# Altium PCB MB1404.PcbDoc (part 3 of 7) (continued)
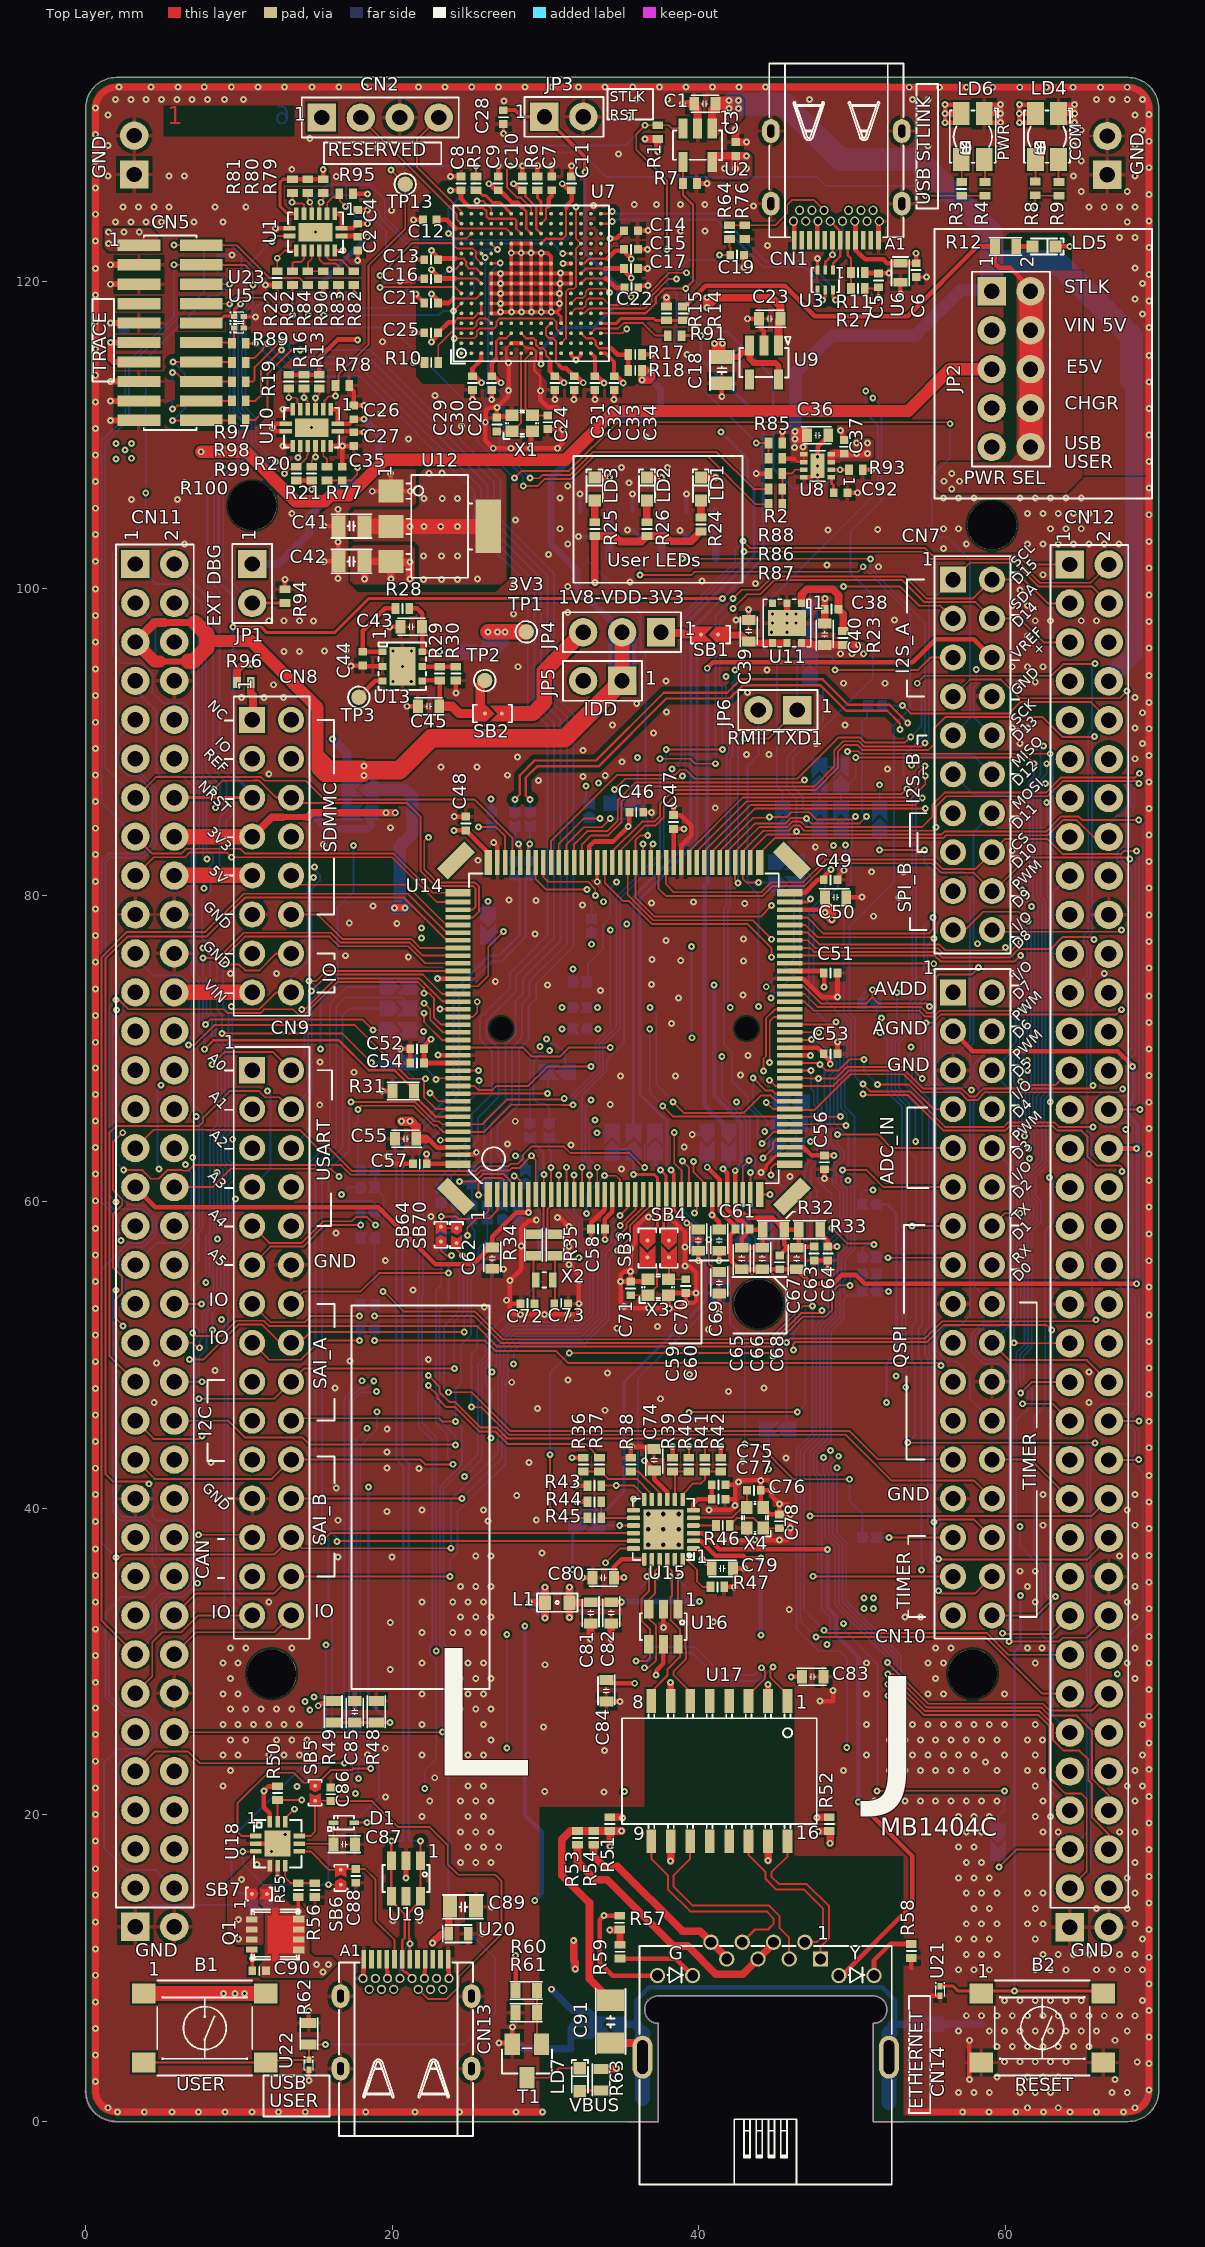
[diagram p0: Top Layer view]
## Nets (pads, with @x,y where several pads share a name; then routed paths per layer and width w, separated by ;. In a path a pad name is that pad's centre, name@x,y a point inside that pad or via, vN(x,y) a via of type N, cw(c..) or ccw(c..) an arc to the next point about the centre after c; other vN are vias at no path point) (continued)
  Top Layer w0.5: v1(32.941,31.479) C81.1@32.941,32.479 ; v1(34.291,31.479) C82.1@34.291,32.479 ; R15.2@37.891,118.429 37.9,118.438 v1(37.9,119) ; v1(38.925,131.625) 39.63,131.625 39.748,131.743 39.748,131.452 39.916,131.284 U2.2@39.916,130.214 ; v1(42.391,129.954) 42.396,129.949 42.396,129.13 42.398,129.128 42.398,129.125 C3.1@42.4,129.125 v1(43.1,129.125) ; C40.1@48.216,97.729 C38.2@48.216,98.654
  Signal Layer 1 w0.45: v1@29.816,0.625 26.275,0.625 26.271,0.629 v1(14.329,0.629) v1(12.591,0.629) v1(10.866,0.629) v1(9.104,0.629) v1(7.366,0.629) v1(5.641,0.629) v1(3.829,0.629) v1(2.091,0.629) cw(c2.091,2.079) 0.641,2.079 v1(0.641,2.616) v1(0.641,4.354) v1(0.641,6.079) v1(0.641,7.804) v1(0.641,9.541) v1(0.641,11.266) v1(0.641,13.029) v1(0.641,14.766) v1(0.641,16.491) v1(0.641,18.304) v1(0.641,20.041) v1(0.641,21.766) v1(0.641,23.504) v1(0.641,25.241) v1(0.641,26.966) v1(0.641,28.654) v1(0.641,30.391) v1(0.641,32.116) v1(0.641,33.879) v1(0.641,35.616) v1(0.641,37.341) v1(0.641,39.154) v1(0.641,40.891) v1(0.641,42.616) v1(0.641,44.354) v1(0.641,46.091) v1(0.641,47.816) v1(0.641,49.566) v1(0.641,51.304) v1(0.641,53.029) v1(0.641,54.791) v1(0.641,56.529) v1(0.641,58.254) v1(0.641,60.066) v1(0.641,61.804) v1(0.641,63.529) v1(0.641,65.266) v1(0.641,67.004) v1(0.641,68.729) v1(0.641,70.404) v1(0.641,72.141) v1(0.641,73.866) v1(0.641,75.629) v1(0.641,77.366) v1(0.641,79.091) v1(0.641,80.904) v1(0.641,82.641) v1(0.641,84.366) v1(0.641,86.104) v1(0.641,87.841) v1(0.641,89.566) v1(0.641,91.279) v1(0.641,93.016) v1(0.641,94.741) v1(0.641,96.504) v1(0.641,98.241) v1(0.641,99.966) v1(0.641,101.779) v1(0.641,103.516) v1(0.641,105.241) v1(0.641,106.979) v1(0.641,108.716) v1(0.641,110.441) v1(0.641,112.179) v1(0.641,113.916) v1(0.641,115.641) v1(0.641,117.404) v1(0.641,119.141) v1(0.641,120.866) v1(0.641,122.679) v1(0.641,124.416) v1(0.641,126.141) v1(0.641,127.879) v1(0.641,129.616) 0.641,131.294 cw(c2.062,131.294) 2.062,132.715 52.341,132.715 52.352,132.704 v1(53.729,132.704) v1(55.712,132.704) v1(57.449,132.704) v1(59.174,132.704) v1(60.937,132.704) v1(62.674,132.704) v1(64.399,132.704) v1(66.212,132.704) v1(67.949,132.704) cw(c67.949,131.278) 69.375,131.278 69.375,5.561 69.366,5.552 v1(69.366,5.515) v1(69.366,3.778) v1(69.366,2.053) cw(c67.938,2.053) 67.938,0.625 v1(67.716,0.625) v1(65.954,0.625) v1(64.216,0.625) v1(62.491,0.625) v1(60.678,0.625) v1(58.941,0.625) v1(57.216,0.625) 53.741,0.625
  Signal Layer 2 w0.3: v1@49.05,70.426 v1(49.052,70.428)
  Signal Layer 2 w0.45: v1@29.816,0.625 15.629,0.625 15.625,0.629 v1(14.329,0.629) v1(12.591,0.629) v1(10.866,0.629) v1(9.104,0.629) v1(7.366,0.629) v1(5.641,0.629) v1(3.829,0.629) v1(2.091,0.629) cw(c2.091,2.079) 0.641,2.079 v1(0.641,2.616) v1(0.641,4.354) v1(0.641,6.079) v1(0.641,7.804) v1(0.641,9.541) v1(0.641,11.266) v1(0.641,13.029) v1(0.641,14.766) v1(0.641,16.491) v1(0.641,18.304) v1(0.641,20.041) v1(0.641,21.766) v1(0.641,23.504) v1(0.641,25.241) v1(0.641,26.966) v1(0.641,28.654) v1(0.641,30.391) v1(0.641,32.116) v1(0.641,33.879) v1(0.641,35.616) v1(0.641,37.341) v1(0.641,39.154) v1(0.641,40.891) v1(0.641,42.616) v1(0.641,44.354) v1(0.641,46.091) v1(0.641,47.816) v1(0.641,49.566) v1(0.641,51.304) v1(0.641,53.029) v1(0.641,54.791) v1(0.641,56.529) v1(0.641,58.254) v1(0.641,60.066) v1(0.641,61.804) v1(0.641,63.529) v1(0.641,65.266) v1(0.641,67.004) v1(0.641,68.729) v1(0.641,70.404) v1(0.641,72.141) v1(0.641,73.866) v1(0.641,75.629) v1(0.641,77.366) v1(0.641,79.091) v1(0.641,80.904) v1(0.641,82.641) v1(0.641,84.366) v1(0.641,86.104) v1(0.641,87.841) v1(0.641,89.566) v1(0.641,91.279) v1(0.641,93.016) v1(0.641,94.741) v1(0.641,96.504) v1(0.641,98.241) v1(0.641,99.966) v1(0.641,101.779) v1(0.641,103.516) v1(0.641,105.241) v1(0.641,106.979) v1(0.641,108.716) v1(0.641,110.441) v1(0.641,112.179) v1(0.641,113.916) v1(0.641,115.641) v1(0.641,117.404) v1(0.641,119.141) v1(0.641,120.866) v1(0.641,122.679) v1(0.641,124.416) v1(0.641,126.141) v1(0.641,127.879) v1(0.641,129.616) 0.641,131.294 cw(c2.062,131.294) 2.062,132.715 52.341,132.715 52.352,132.704 v1(53.729,132.704) v1(55.712,132.704) v1(57.449,132.704) v1(59.174,132.704) v1(60.937,132.704) v1(62.674,132.704) v1(64.399,132.704) v1(66.212,132.704) v1(67.949,132.704) cw(c67.949,131.278) 69.375,131.278 69.375,5.561 69.366,5.552 v1(69.366,5.515) v1(69.366,3.778) v1(69.366,2.053) cw(c67.938,2.053) 67.938,0.625 v1(67.716,0.625) v1(65.954,0.625) v1(64.216,0.625) v1(62.491,0.625) v1(60.678,0.625) v1(58.941,0.625) v1(57.216,0.625) 53.741,0.625
  Signal Layer 3 w0.45: v1@29.816,0.625 26.275,0.625 26.271,0.629 v1(14.329,0.629) v1(12.591,0.629) v1(10.866,0.629) v1(9.104,0.629) v1(7.366,0.629) v1(5.641,0.629) v1(3.829,0.629) v1(2.091,0.629) cw(c2.091,2.079) 0.641,2.079 v1(0.641,2.616) v1(0.641,4.354) v1(0.641,6.079) v1(0.641,7.804) v1(0.641,9.541) v1(0.641,11.266) v1(0.641,13.029) v1(0.641,14.766) v1(0.641,16.491) v1(0.641,18.304) v1(0.641,20.041) v1(0.641,21.766) v1(0.641,23.504) v1(0.641,25.241) v1(0.641,26.966) v1(0.641,28.654) v1(0.641,30.391) v1(0.641,32.116) v1(0.641,33.879) v1(0.641,35.616) v1(0.641,37.341) v1(0.641,39.154) v1(0.641,40.891) v1(0.641,42.616) v1(0.641,44.354) v1(0.641,46.091) v1(0.641,47.816) v1(0.641,49.566) v1(0.641,51.304) v1(0.641,53.029) v1(0.641,54.791) v1(0.641,56.529) v1(0.641,58.254) v1(0.641,60.066) v1(0.641,61.804) v1(0.641,63.529) v1(0.641,65.266) v1(0.641,67.004) v1(0.641,68.729) v1(0.641,70.404) v1(0.641,72.141) v1(0.641,73.866) v1(0.641,75.629) v1(0.641,77.366) v1(0.641,79.091) v1(0.641,80.904) v1(0.641,82.641) v1(0.641,84.366) v1(0.641,86.104) v1(0.641,87.841) v1(0.641,89.566) v1(0.641,91.279) v1(0.641,93.016) v1(0.641,94.741) v1(0.641,96.504) v1(0.641,98.241) v1(0.641,99.966) v1(0.641,101.779) v1(0.641,103.516) v1(0.641,105.241) v1(0.641,106.979) v1(0.641,108.716) v1(0.641,110.441) v1(0.641,112.179) v1(0.641,113.916) v1(0.641,115.641) v1(0.641,117.404) v1(0.641,119.141) v1(0.641,120.866) v1(0.641,122.679) v1(0.641,124.416) v1(0.641,126.141) v1(0.641,127.879) v1(0.641,129.616) 0.641,131.294 cw(c2.062,131.294) 2.062,132.715 52.341,132.715 52.352,132.704 v1(53.729,132.704) v1(55.712,132.704) v1(57.449,132.704) v1(59.174,132.704) v1(60.937,132.704) v1(62.674,132.704) v1(64.399,132.704) v1(66.212,132.704) v1(67.949,132.704) cw(c67.949,131.278) 69.375,131.278 69.375,5.561 69.366,5.552 v1(69.366,5.515) v1(69.366,3.778) v1(69.366,2.053) cw(c67.938,2.053) 67.938,0.625 v1(67.716,0.625) v1(65.954,0.625) v1(64.216,0.625) v1(62.491,0.625) v1(60.678,0.625) v1(58.941,0.625) v1(57.216,0.625) 53.691,0.625
  Signal Layer 4 w0.45: v1@29.816,0.625 v1(18.275,0.625) 18.271,0.629 v1(14.329,0.629) v1(12.591,0.629) v1(10.866,0.629) v1(9.104,0.629) v1(7.366,0.629) v1(5.641,0.629) v1(3.829,0.629) v1(2.091,0.629) cw(c2.091,2.079) 0.641,2.079 v1(0.641,2.616) v1(0.641,4.354) v1(0.641,6.079) v1(0.641,7.804) v1(0.641,9.541) v1(0.641,11.266) v1(0.641,13.029) v1(0.641,14.766) v1(0.641,16.491) v1(0.641,18.304) v1(0.641,20.041) v1(0.641,21.766) v1(0.641,23.504) v1(0.641,25.241) v1(0.641,26.966) v1(0.641,28.654) v1(0.641,30.391) v1(0.641,32.116) v1(0.641,33.879) v1(0.641,35.616) v1(0.641,37.341) v1(0.641,39.154) v1(0.641,40.891) v1(0.641,42.616) v1(0.641,44.354) v1(0.641,46.091) v1(0.641,47.816) v1(0.641,49.566) v1(0.641,51.304) v1(0.641,53.029) v1(0.641,54.791) v1(0.641,56.529) v1(0.641,58.254) v1(0.641,60.066) v1(0.641,61.804) v1(0.641,63.529) v1(0.641,65.266) v1(0.641,67.004) v1(0.641,68.729) v1(0.641,70.404) v1(0.641,72.141) v1(0.641,73.866) v1(0.641,75.629) v1(0.641,77.366) v1(0.641,79.091) v1(0.641,80.904) v1(0.641,82.641) v1(0.641,84.366) v1(0.641,86.104) v1(0.641,87.841) v1(0.641,89.566) v1(0.641,91.279) v1(0.641,93.016) v1(0.641,94.741) v1(0.641,96.504) v1(0.641,98.241) v1(0.641,99.966) v1(0.641,101.779) v1(0.641,103.516) v1(0.641,105.241) v1(0.641,106.979) v1(0.641,108.716) v1(0.641,110.441) v1(0.641,112.179) v1(0.641,113.916) v1(0.641,115.641) v1(0.641,117.404) v1(0.641,119.141) v1(0.641,120.866) v1(0.641,122.679) v1(0.641,124.416) v1(0.641,126.141) v1(0.641,127.879) v1(0.641,129.616) 0.641,131.294 cw(c2.062,131.294) 2.062,132.715 52.341,132.715 52.352,132.704 v1(53.729,132.704) v1(55.712,132.704) v1(57.449,132.704) v1(59.174,132.704) v1(60.937,132.704) v1(62.674,132.704) v1(64.399,132.704) v1(66.212,132.704) v1(67.949,132.704) cw(c67.949,131.278) 69.375,131.278 69.375,5.561 69.366,5.552 v1(69.366,5.515) v1(69.366,3.778) v1(69.366,2.053) cw(c67.938,2.053) 67.938,0.625 v1(67.716,0.625) v1(65.954,0.625) v1(64.216,0.625) v1(62.491,0.625) v1(60.678,0.625) v1(58.941,0.625) v1(57.216,0.625)
  Bottom Layer w0.3: U24.2@8.6,121.75 v1(9.55,121.75) ; v1(32.15,103.392) 32.157,103.385 R67.1@32.811,103.385 ; Q4.2@32.258,105.047 v1(32.258,106.165) ; v1(35.35,103.825) 35.72,103.825 R66.1@36.166,103.379 ; Q3.2@35.666,105.047 v1(35.666,106.165) ; v1(38.775,103.8) 39.19,103.385 R65.1@39.711,103.385 ; Q2.2@39.191,105.047 v1(39.191,106.165) ; v1(39.575,64.4) SB47.1@40.55,64.4
  Bottom Layer w0.45: v1@29.816,0.625 15.629,0.625 15.625,0.629 v1(14.329,0.629) v1(12.591,0.629) v1(10.866,0.629) v1(9.104,0.629) v1(7.366,0.629) v1(5.641,0.629) v1(3.829,0.629) v1(2.091,0.629) cw(c2.091,2.079) 0.641,2.079 v1(0.641,2.616) v1(0.641,4.354) v1(0.641,6.079) v1(0.641,7.804) v1(0.641,9.541) v1(0.641,11.266) v1(0.641,13.029) v1(0.641,14.766) v1(0.641,16.491) v1(0.641,18.304) v1(0.641,20.041) v1(0.641,21.766) v1(0.641,23.504) v1(0.641,25.241) v1(0.641,26.966) v1(0.641,28.654) v1(0.641,30.391) v1(0.641,32.116) v1(0.641,33.879) v1(0.641,35.616) v1(0.641,37.341) v1(0.641,39.154) v1(0.641,40.891) v1(0.641,42.616) v1(0.641,44.354) v1(0.641,46.091) v1(0.641,47.816) v1(0.641,49.566) v1(0.641,51.304) v1(0.641,53.029) v1(0.641,54.791) v1(0.641,56.529) v1(0.641,58.254) v1(0.641,60.066) v1(0.641,61.804) v1(0.641,63.529) v1(0.641,65.266) v1(0.641,67.004) v1(0.641,68.729) v1(0.641,70.404) v1(0.641,72.141) v1(0.641,73.866) v1(0.641,75.629) v1(0.641,77.366) v1(0.641,79.091) v1(0.641,80.904) v1(0.641,82.641) v1(0.641,84.366) v1(0.641,86.104) v1(0.641,87.841) v1(0.641,89.566) v1(0.641,91.279) v1(0.641,93.016) v1(0.641,94.741) v1(0.641,96.504) v1(0.641,98.241) v1(0.641,99.966) v1(0.641,101.779) v1(0.641,103.516) v1(0.641,105.241) v1(0.641,106.979) v1(0.641,108.716) v1(0.641,110.441) v1(0.641,112.179) v1(0.641,113.916) v1(0.641,115.641) v1(0.641,117.404) v1(0.641,119.141) v1(0.641,120.866) v1(0.641,122.679) v1(0.641,124.416) v1(0.641,126.141) v1(0.641,127.879) v1(0.641,129.616) 0.641,131.294 cw(c2.062,131.294) 2.062,132.715 52.341,132.715 52.352,132.704 v1(53.729,132.704) v1(55.712,132.704) v1(57.449,132.704) v1(59.174,132.704) v1(60.937,132.704) v1(62.674,132.704) v1(64.399,132.704) v1(66.212,132.704) v1(67.949,132.704) cw(c67.949,131.278) 69.375,131.278 69.375,5.561 69.366,5.552 v1(69.366,5.515) v1(69.366,3.778) v1(69.366,2.053) cw(c67.938,2.053) 67.938,0.625 v1(67.716,0.625) v1(65.954,0.625) v1(64.216,0.625) v1(62.491,0.625) v1(60.678,0.625) v1(58.941,0.625) v1(57.216,0.625) ; v1(30.391,8.629) 31.77,7.25 32.725,7.25 33.45,6.525 SB77.2@33.45,6.35 ; 31.65,4.75 31.65,5.6 ; 31.65,5.6 32.925,5.6 33.45,6.125 SB77.2@33.45,6.35 ; 31.65,5.6 31.65,6.15 31.85,6.35 SB77.2@33.45,6.35
  Bottom Layer w0.5: 28.216,5.129 28.595,4.75 31.65,4.75 ; SB76.2@55.425,6.35 58.392,6.35 58.417,6.375
  other v1: 21.5,0.625 24.4,0.625 28.079,0.629 29.816,0.629 1.45,0.9 61.45,0.9 63.45,0.9 68.45,0.9 56.95,1.9 57.95,1.9 58.95,1.9 60.95,1.9 61.95,1.9 62.95,1.9 66.95,1.9 67.95,1.9 67.153,2.74 59.45,2.9 61.45,2.9 62.45,2.9 63.45,2.9 68.6,3.875 59.95,3.9 60.95,3.9 61.95,3.9 62.95,3.9 63.95,3.9 59.45,4.9 60.45,4.9 61.45,4.9 62.45,4.9 63.45,4.9 64.45,4.9 65.45,4.9 67.153,5.305 56.95,5.9 58.95,5.9 59.95,5.9 60.95,5.9 61.95,5.9 62.95,5.9 63.95,5.9 64.95,5.9 65.95,5.9 67.95,5.9 57.45,6.9 58.45,6.9 59.45,6.9 60.45,6.9 61.45,6.9 62.45,6.9 63.45,6.9 64.45,6.9 65.45,6.9 66.45,6.9 67.45,6.9 68.45,6.9 59.95,7.9 60.95,7.9 61.95,7.9 62.95,7.9 63.95,7.9 64.95,7.9 68.95,7.9 56.95,9.9 57.95,9.9 58.95,9.9 61.95,9.9 62.95,9.9 63.95,9.9 65.95,9.9 66.95,9.9 67.95,9.9 68.95,9.9 57.45,10.9 58.45,10.9 59.45,10.9 62.45,10.9 63.45,10.9 64.45,10.9 65.45,10.9 66.45,10.9 67.45,10.9 68.45,10.9 56.95,11.9 57.95,11.9 58.95,11.9 61.95,11.9 68.95,11.9 25.875,12.25 57.45,12.9 58.45,12.9 59.45,12.9 61.45,12.9 62.45,12.9 68.45,12.9 20.05,13.1 21.8,13.1 57.95,13.9 58.95,13.9 61.95,13.9 65.95,13.9 67.95,13.9 26.475,14 57.45,14.9 58.45,14.9 59.45,14.9 61.45,14.9 62.45,14.9 68.45,14.9 56.95,15.9 57.95,15.9 58.95,15.9 67.95,15.9 24.45,16.9 25.45,16.9 26.45,16.9 57.45,16.9 58.45,16.9 68.45,16.9 12.125,17.625 24.95,17.9 25.95,17.9 26.95,17.9 56.95,17.9 57.95,17.9 13.025,18.725 24.45,18.9 25.45,18.9 26.45,18.9 57.45,18.9 58.45,18.9 62.45,18.9 63.45,18.9 67.45,18.9 68.45,18.9 21.95,19.9 24.95,19.9 25.95,19.9 56.95,19.9 57.95,19.9 58.95,19.9 61.95,19.9 62.95,19.9 22.45,20.9 24.45,20.9 25.45,20.9 26.45,20.9 51.45,20.9 52.45,20.9 53.45,20.9 54.45,20.9 55.45,20.9 56.45,20.9 57.45,20.9 58.45,20.9 59.45,20.9 62.45,20.9 68.45,20.9 19.575,21.175 33.825,21.5 29.95,21.525 16.825,21.7 8.95,21.9 24.95,21.9 25.95,21.9 61.95,21.9 67.95,21.9 68.95,21.9 22.775,22.425 9.45,22.9 24.45,22.9 25.45,22.9 26.45,22.9 49.45,22.9 52.45,22.9 53.45,22.9 54.45,22.9 55.45,22.9 56.45,22.9 57.45,22.9 59.45,22.9 61.45,22.9 62.425,22.9 68.45,22.9 52.875,23.4 58.7,23.45 8.95,23.9 9.95,23.9 11.95,23.9 12.95,23.9 13.95,23.9 21.95,23.9 24.95,23.9 25.95,23.9 50.95,23.9 53.95,23.9 54.95,23.9 55.95,23.9 56.95,23.9 57.95,23.9 59.95,23.9 61.95,23.9 68.95,23.9 18.4,23.925 33.85,24.2 19.55,24.35 9.45,24.9 10.45,24.9 12.45,24.9 13.45,24.9 14.45,24.9 26.45,24.9 52.45,24.9 53.45,24.9 54.45,24.9 55.45,24.9 56.45,24.9 57.45,24.9 58.45,24.9 59.45,24.9 61.45,24.9 62.425,24.9 29.875,25.725 8.95,25.9 9.95,25.9 10.95,25.9 11.95,25.9 12.95,25.9 13.95,25.9 21.95,25.9 25.95,25.9 50.95,25.9 52.95,25.9 53.95,25.9 54.95,25.9 55.95,25.9 56.95,25.9 57.95,25.9 58.95,25.9 59.95,25.9 61.95,25.9 68.95,25.9 9.45,26.9 10.45,26.9 11.45,26.9 12.45,26.9 13.45,26.9 24.45,26.9 25.45,26.9 26.45,26.9 8.95,27.9 9.95,27.9 21.95,27.9 24.95,27.9 25.95,27.9 50.95,27.9 54.95,27.9 55.95,27.9 59.95,27.9 9.45,28.9 24.45,28.9 25.45,28.9 26.45,28.9 55.45,28.9 68.45,28.9 19.875,29.5 29.975,29.8 8.95,29.9 9.95,29.9 21.95,29.9 24.95,29.9 25.95,29.9 50.95,29.9 54.95,29.9 55.95,29.9 61.95,29.9 67.95,29.9 9.45,30.9 10.45,30.9 13.45,30.9 55.45,30.9 56.45,30.9 61.45,30.9 62.4,30.9 68.45,30.9 21.95,31.9 23.95,31.9 24.95,31.9 25.95,31.9 19.875,32.55 40.95,32.6 24.45,32.9 25.45,32.9 26.45,32.9 53.45,32.9 54.45,32.9 68.45,32.9 45.9,33.4 11.95,33.9 21.95,33.9 23.95,33.9 24.95,33.9 25.95,33.9 61.945,33.9 67.95,33.9 24.45,34.9 25.45,34.9 26.45,34.9 61.45,34.9 68.45,34.9 60.95,35.9 61.945,35.9 16.475,36.825 20,36.825 25.45,36.9 26.45,36.9 67.45,36.9 68.45,36.9 29.775,37.075 62.45,38.9 68.45,38.9 26.25,39.175 16.475,39.225 29.4,39.25 19.65,39.8 21.95,39.9 25.95,39.9 67.95,39.9 28.125,40.85 62.45,40.9 68.45,40.9 16.35,41.325 21.75,42.6 19.65,42.625 8.175,43 28.925,43 42.85,43.075 45.7,43.275 19.65,43.675 19.675,45.175 33.875,46.4 29.475,46.525 4.475,46.9 65.45,46.9 37.5,47.15 41.95,47.625 16.275,47.85 44.25,47.85 27.8,48.225 31.475,48.375 39.4,48.725 34.05,48.825 65.45,48.9 8.45,49 4.625,49.475 17.25,49.6 22.355,49.7 40.625,51.675 34.675,51.75 37.3,51.85 36.725,53.075 26.005,53.125 21.36,54.25 19.55,56.175 16.325,57.95 22.525,59.05 45.95,61.65 34.95,62.125 39.05,63.575 31.675,63.7 27.525,63.775 28.025,65.25 15.275,66.325 34.225,66.35 34.9,68.2 38.475,68.2 42.725,68.275 17.5,68.45 15.3,69.125 43.2,69.55 38.225,71.625 38.675,73.3 42.875,73.5 33.6,73.775 30.125,74.15 36.925,74.175 26.725,74.375 9.45,74.9 12.45,74.9 60.45,74.9 66.45,74.9 38.825,75.725 42.925,75.7 36.95,75.8 21.05,75.975 16.95,76.05 37.85,77.05 42.925,77.15 29.325,77.475 20.3,78.15 17.2,78.175 51.4,78.625 18.75,79.3 32.425,79.35 43,79.45 36.925,79.5 39.65,79.55 29.375,79.65 27.625,79.675 53.05,79.85 33.375,80.875 53.35,81.5 51.275,81.525 25.6,82.275 60.45,82.9 47.6,83.15 15.5,83.3 19.9,84.4 60.45,84.9 41.075,85.7 29.55,87.475 32.45,87.75 33.9,87.8 27.525,87.825 11.95,87.9 52.3,88.225 23.175,88.35 25.525,88.35 35,88.7 68.45,88.9 28.175,89.025 43.1,89.175 44.575,89.175 32.45,89.45 47.65,89.875 60.95,89.9 68.95,89.9 37.05,90.575 60.45,90.9 61.45,90.9 68.45,90.9 34.375,91.1 49.55,91.1 68.95,91.9 37.9,91.95 35.95,92.5 10.175,92.9 11.65,92.9 12.9,92.9 68.45,92.9 43.175,93.222 12.25,93.725 49.45,93.825 52.15,93.825 60.95,93.9 61.95,93.9 20.066,93.929 21.241,93.929 37.85,93.975 69.366,94.316 44.45,94.7 28.2,94.9 60.45,94.9 61.45,94.9 62.45,94.9 20.666,94.929 12.95,95.9 13.95,95.9 15.575,95.925 20.066,95.929 21.266,95.929 16.975,95.95 61.45,96.9 44.75,97.15 45.75,97.15 44.8,97.75 46.35,97.75 14.875,97.875 11.95,97.9 12.95,97.9 13.95,97.9 61.95,97.9 62.95,97.9 64.95,97.9 65.95,97.9 52.775,97.95 27.925,98.35 44.8,98.35 45.75,98.35 46.35,98.35 31.45,98.45 60.45,98.9 61.45,98.9 60.95,99.9 31.45,100.125 27.925,100.3 43.7,100.325 35.5,100.425 40.2,100.5 62.45,100.9 51.725,101.425 48.375,101.525 30.2,102.225 55.975,102.625 6.45,102.9 31.45,102.9 57.45,102.9 61.45,102.9 62.45,102.9 63.45,102.9 64.45,102.9 65.45,102.9 66.45,102.9 67.405,102.9 48.425,103.825 51.675,103.85 30.95,103.9 55.95,103.9 56.95,103.9 62.95,103.9 63.95,103.9 64.95,103.9 28.05,104.475 13.45,104.9 61.45,104.9 62.45,104.9 63.45,104.9 64.45,104.9 65.45,104.9 3,105.8 6,105.8 30.95,105.9 55.95,105.9 56.95,105.9 57.95,105.9 60.95,105.9 61.95,105.9 62.95,105.9 63.95,105.9 64.95,105.9 31.45,106.7 6.45,106.9 35.45,106.9 34.95,107.9 37.95,107.9 12.875,109.3 21.075,109.75 36.55,109.9 14.75,110.5 24.525,110.6 1.625,110.975 19.25,111.375 41.5,112.525 22.8,112.6 69.366,113.479 1.625,113.5 39.225,115.275 19.375,116.1 1.625,117.325 68.95,117.9 68.45,118.9 1.625,119.85 68.95,119.9 68.45,120.9 42.95,120.95 17.75,121.4 44.475,122.375 67.45,122.9 68.45,122.9 15,123.25 38.816,123.329 40.416,123.329 1.95,123.9 2.95,123.9 3.95,123.9 4.95,123.9 7.075,123.9 8.95,123.9 67.95,123.9 19.95,124.675 2.45,124.9 3.45,124.9 4.45,124.9 5.45,124.9 8.45,124.9 10.45,124.9 65.45,124.9 66.45,124.9 67.45,124.9 68.45,124.9 43.575,124.95 33.141,124.979 38.8,125.05 35.791,125.054 37.241,125.054 40.391,125.054 64.95,125.9 67.95,125.9 16.35,126.875 1.45,126.9 5.45,126.9 6.45,126.9 64.45,126.9 68.45,126.9 13.45,127.35 64.95,127.9 34.75,128.35 19.05,128.75 54.95,128.875 59.85,128.875 1.45,128.9 64.45,128.9 68.45,128.9 14.625,129.35 64.95,129.9 68.95,129.9 1.45,130.9 35.45,130.9 68.45,130.9 0.641,131.341 27.3,131.8 1.95,131.9 2.95,131.9 3.95,131.9 4.95,131.9 5.95,131.9 6.95,131.9 7.95,131.9 9.05,131.9 10.3,131.9 35.95,131.9 37.95,131.9 47.225,131.9 53.95,131.9 54.95,131.9 65.95,131.9 66.95,131.9 67.95,131.9 68.95,131.9 2.178,132.716 4.279,132.716 6.016,132.716 7.741,132.716 9.503,132.716 11.241,132.716 12.966,132.716 14.778,132.716 16.516,132.716 18.241,132.716 19.978,132.716 21.716,132.716 23.441,132.716 25.191,132.716 26.929,132.716 28.654,132.716 30.416,132.716 32.153,132.716 33.878,132.716 35.691,132.716 37.429,132.716 39.154,132.716 40.891,132.716 42.628,132.716 44.354,132.716
  other v2: 36.691,37.629 37.691,37.629 38.691,37.629 36.691,38.629 37.691,38.629 38.691,38.629 36.691,39.629 37.691,39.629 38.691,39.629
HiZ_DBG_IF_EN: JP1.2 R94.2 U1.9 | length 29.6
  Top Layer w0.12: v1(12.15,122.65) 12.5,123 U1.9@13.3,123
  Top Layer w0.2: JP1.2@10.866,99.059 10.87,99.054 12.996,99.054 R94.2@13,99.05
  Bottom Layer w0.12: 9.996,107.654 8.975,106.633 8.975,100.95 JP1.2@10.866,99.059 ; 10,107.65 10.575,108.225 10.575,110.975 9.96,111.59 9.96,117.864 10.505,118.409 10.505,121.005 v1(12.15,122.65)
IOREF: CN8.3 CN11.12 SB16.2 SB25.2 | length 16.4
  Signal Layer 2 w0.45: 12.774,90.169 14.356,90.169
  Signal Layer 2 w0.6: CN11.12@5.786,88.899 CN8.3@10.866,88.899 12.136,90.169 12.774,90.169 ; 14.356,90.169 16.106,90.169 v1(16.116,90.179)
  Bottom Layer w0.4: 17.05,86.875 SB16.2@17.325,86.875 ; 17.175,85.525 SB25.2@17.325,85.375
  Bottom Layer w0.6: v1(16.116,90.179) 17.05,89.245 17.05,86.875 17.05,85.65 17.175,85.525
JTDO: CN5.6 R21.1 SB39.1 U10.13 U24.3 | length 85.7
  Top Layer w0.12: CN5.6@7.546,119.86 7.556,119.85 v1@9.275,119.85 ; v1(7.825,71.575) 8.149,71.899 18.051,71.899 v1(18.75,71.2) ; R21.1@14.75,108.075 14.75,108.325 v1(15,108.575) U10.13@15,109.3
  Signal Layer 2 w0.12: v1(3.925,106.225) 6.05,108.35 11.775,108.35 12.15,108.725 12.6,108.725 13.185,108.14 14.565,108.14 v1(15,108.575)
  Bottom Layer w0.12: 2.403,102.929 1.766,102.292 1.766,95.704 2.341,95.129 3.659,95.129 4.351,94.437 4.351,93.219 5.026,92.544 6.401,92.544 6.891,92.054 6.891,87.555 7.413,87.033 7.413,83.145 7.166,82.898 7.166,74.919 7.653,74.432 7.653,71.747 v1(7.825,71.575) ; 2.404,102.929 3.925,104.45 3.925,114.963 8.062,119.1 8.625,119.1 v1(9.375,119.85) 8.6,120.625 U24.3@8.6,121.1 ; v1(18.75,71.2) SB39.1@19.9,71.2
NetC7_2: C7.2 U7.J14 | length 2.5
  Top Layer w0.15: U7.J14@29.716,123.804 30.036,124.124 30.036,124.774 30.216,124.954
  Top Layer w0.3: 30.216,124.954 30.216,125.429 30.416,125.629 C7.2@30.416,125.979
NetC12_2: C12.2 U7.F13 | length 5.2
  Top Layer w0.15: 24.141,123.479 24.146,123.484 27.436,123.484 27.745,123.175 U7.F13@27.75,123.175
  Top Layer w0.3: C12.2@22.9,124.05 23.57,124.05 24.141,123.479
NetC14_2: C14.2 U7.M10 | length 5.4
  Top Layer w0.25: v1(31.141,121.204) U7.M10@31.666,121.204
  Top Layer w0.3: v1(34.2,122.825) 34.229,122.854 34.654,122.854 35.125,123.325 C14.2@35.125,123.35
  Signal Layer 2 w0.3: v1(31.141,121.204) 32.579,121.204 v1(34.2,122.825)
NetC28_2: C28.2 JP3.1 U7.J1 | length 25
  Top Layer w0.25: C28.2@27.275,131.225 28,131.225 28.45,130.775 JP3.1@29.93,130.775 ; v1(29.716,114.656) U7.J1@29.716,115.354 ; JP3.1@29.916,130.809 32.566,128.159 v1(32.566,127.179)
  Bottom Layer w0.25: v1(29.716,114.656) 29.716,115.579 31.194,117.056 ; 31.2,117.05 33.175,117.05 34.725,118.6 34.725,119.775 32.566,121.934 32.566,127.134 v1@32.544,127.156 ; v1@32.525,127.175 v1@32.544,127.156 ; v1(32.566,127.179) v1@32.544,127.156
NetC38_1: C38.1 R23.1 U11.1 | length 5.7
  Top Layer w0.5: U11.1@46.7,99.05 46.7,99.6 47.05,99.95 48.725,99.95 49.116,99.559 49.116,98.629 49.425,98.32 R23.1@49.425,97.225
NetC39_2: C39.2 SB1.1 U11.4 U11.5 | length 4.7
  Top Layer w0.45: SB1.1@41.25,97 41.275,96.975 42.766,96.975 43.03,96.711 43.03,96.645 43.125,96.55 C39.2@43.225,96.55 ; C39.2@43.25,96.45 U11.4@44.8,96.45 U11.5@45.75,96.45
NetC43_2: C43.2 R28.2 SB11.2 U13.6 | length 6.3
  Top Layer w0.3: R28.2@21.116,98.704 21.616,98.704 21.966,98.354 U13.6@21.966,95.879 v1(23.091,95.879)
  Bottom Layer w0.3: v1(23.091,95.879) SB11.2@24.841,95.879
NetC44_1: C44.1 R28.1 U13.1 | length 5.4
  Top Layer w0.3: U13.1@19.366,95.879 19.364,95.877 18.077,95.877 C44.1@18.075,95.875 18.075,97.238 19.541,98.704 R28.1@20.216,98.704
NetC45_2: C45.2 R29.2 SB2.1 TP2.1 U13.4 | length 8.2
  Top Layer w0.3: U13.4@21.99,94.01 23.09,94.01 R29.2@23.1,94 23.1,93.361 23.099,93.36 C45.2@23.099,92.356
  Top Layer w0.6: C45.2@23.075,92.325 23.9,92.325 24.375,91.85 25.75,91.85 ; TP2.1@26.041,94.004 25.75,93.713 25.75,91.85 ; SB2.1@26.05,91.85 25.75,91.85
NetC69_2: C69.2 R71.1 SB54.2 SB59.1 | length 19.9
  Top Layer w0.12: v1(40.65,57.525) 40.65,55.95 41.175,55.425 C69.2@41.325,55.425
  Signal Layer 2 w0.12: v1(32.175,56.35) 32.175,57.915 33.792,59.532 38.343,59.532 38.775,59.1 38.775,58.491 39.74,57.525 v1(40.65,57.525)
  Bottom Layer w0.12: SB54.2@29.8,57.1 SB54.2@29.8,57.075 R71.1@29.8,56.2 30.7,56.2 30.85,56.35 32.15,56.35 v1@32.175,56.325 ; v1(40.65,57.525) 42.85,57.525 SB59.1@42.875,57.5
NetC75_2: C75.2 C77.2 U15.6 | length 2.7
  Top Layer w0.3: U15.6@39.641,39.879 39.641,40.304 39.941,40.604 C77.2@40.841,40.604 C75.2@40.841,41.529
NetC76_2: C76.2 U15.5 X4.3 | length 4.9
  Top Layer w0.12: U15.5@39.641,39.379 39.641,39.409 42.196,39.409 42.841,40.054 X4.3@43.141,40.054 C76.2@43.141,41.179
NetC78_2: C78.2 R46.1 X4.1 | length 3.8
  Top Layer w0.12: R46.1@42.016,38.879 42.516,39.379 43.566,39.379 44.191,38.754 X4.1@44.191,38.704 C78.2@45.266,38.704
NetC79_2: C79.2 C80.1 C81.2 C82.2 C83.2 C84.2 L1.1 R72.2 R73.2 R74.2 R75.2 U15.1 U15.19 U16.5 U17.2 U17.7 | length 23.1
  Top Layer w0.3: C84.2@33.95,28.875 34.234,28.591 35.121,28.591 v1(35.821,28.591) ; v1(35.116,35.479) C80.1@34.466,35.479 34.466,36.179 34.966,36.679 U15.19@36.441,36.679 ; v1(37.216,29.129) 37.216,29.404 37.691,29.879 U16.5@37.691,31.129 ; U15.1@39.641,37.379 39.916,37.379 40.216,37.079 v1(40.216,36.704) C79.2@40.841,36.079 ; v1(46.029,29.009) C83.2@46.729,29.009
  Top Layer w0.4: v1@38.15,28.575 38.171,28.554 U17.7@38.171,27.434 ; U17.2@44.521,27.434 44.525,27.438 v1@44.525,28.45
  Top Layer w0.5: v1(31.565,32.875) 31.565,33.875 L1.1@31.566,33.874 ; L1.1@31.566,33.854 L1.1@31.566,33.874 ; v1(31.566,34.854) L1.1@31.566,33.874 ; v1(34.941,33.879) C82.2@34.291,33.879 33.021,33.879 32.975,33.832 31.608,33.832 L1.1@31.566,33.874
  Bottom Layer w0.4: v1(34.941,33.879) 34.991,33.929 R75.2@36.191,33.929 R74.2@37.191,33.929 R73.2@38.191,33.929 R72.2@39.191,33.929 v1(40.041,33.929)
  other v1: 44.516,28.504 38.166,28.629